# KiCad board ardumower mega shield svn.kicad_pcb (continued)
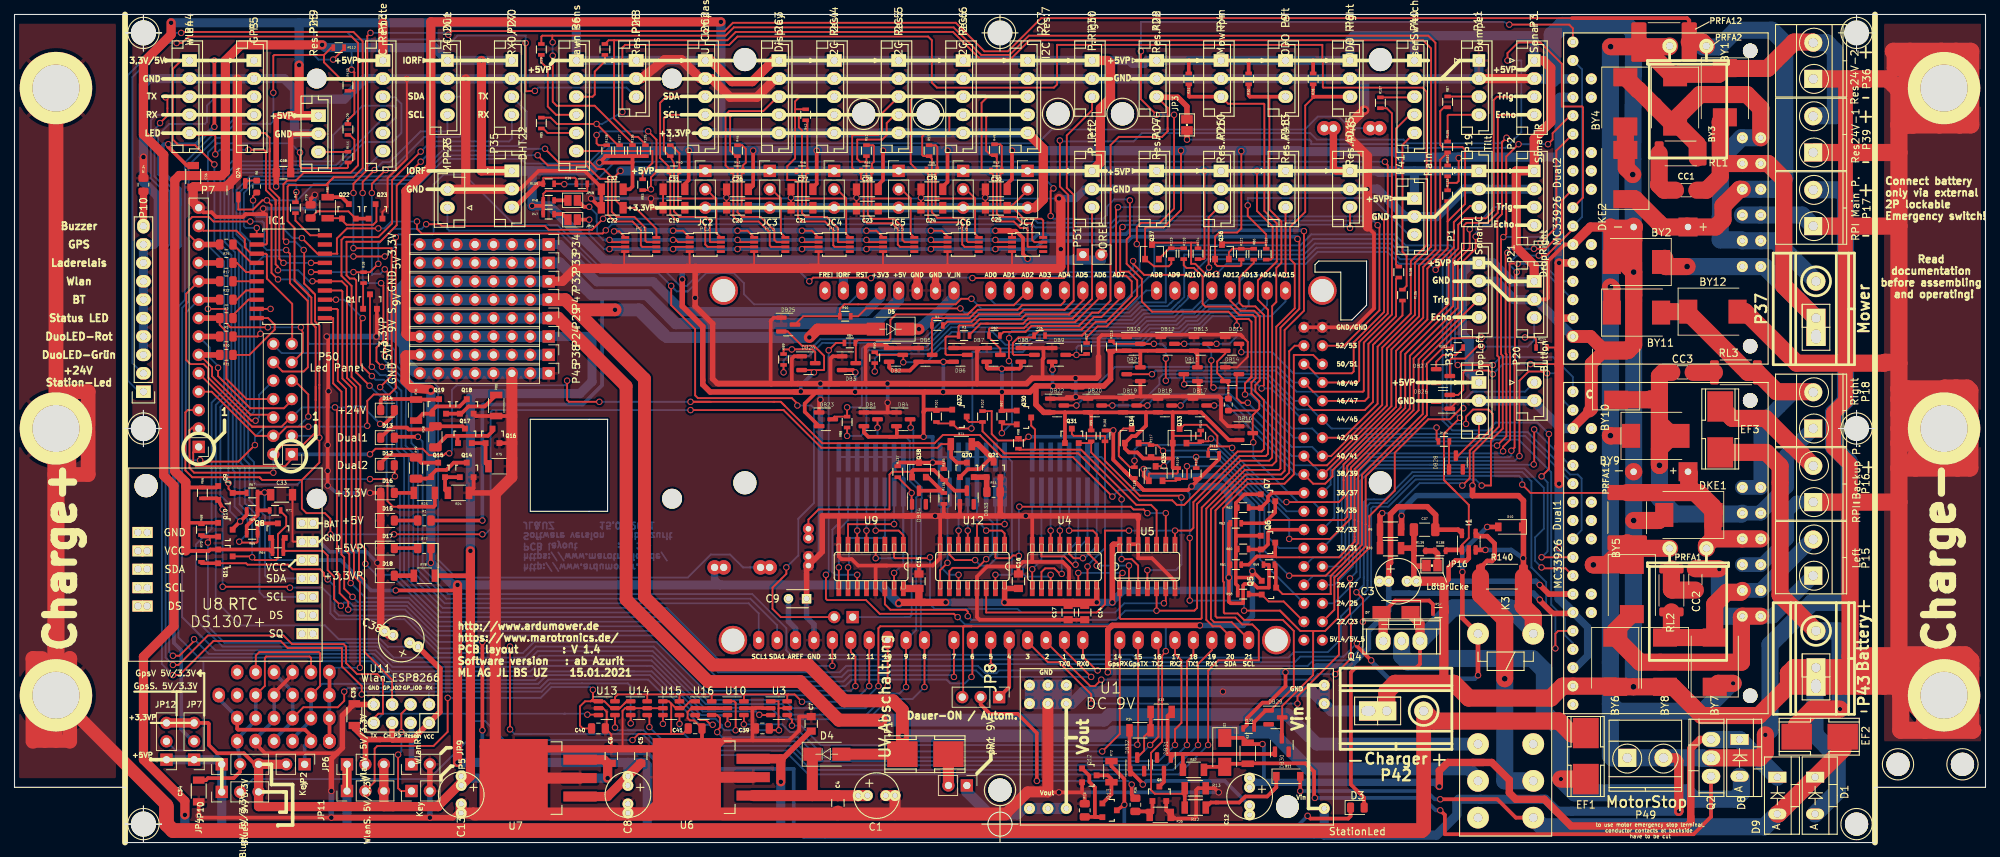
[diagram p0: board, top side]
## Placement (name value [footprint] x y rotation side) (continued)
S1  ODO Right  [SW_DIP_x8_SMD]  144.78 50.8 180 bottom
S2  ODO Left  [SW_DIP_x8_SMD]  118.11 50.8 180 bottom
S3  MowRpm  [SW_DIP_x8_SMD]  132.08 50.8 180 bottom
SHIELD1  ARDUINO_MEGA_SHIELD  [ARDUINO_MEGA_SHIELD_DUO_3D]  83.82 78.74 0 bottom
SP1  SPEAKER  [Buzzer_12x9.5RM7.6_RM5.0]  184.4 98.6 180 bottom
SP2  SPEAKER  [Buzzer_12x9.5RM7.6_RM5.0]  100.33 37.97 180 bottom
U1  DC 9V  [DC_DC_DSN2596_mit_Bohrloch_doppelte_Lochreihe]  181.86 24 180 top
U2  Bluetooth_CZ_HC_05  [Bluetooth_Buchse_Platz_mit_Beschriftung_4_fach]  37.06 14 180 bottom
U3  SN74LVC1T45DBV  [SOT-23-6]  105.41 18.54 0 top
U4  4017  [40xx-SO16]  144.78 38.1 180 top
U5  4081  [40xx-SO14]  156.21 38.1 0 top
U6  LM2940CS-5.0  [TO-263-3Lead]  101.85 9.02 180 top
U7  LM3940IS-3.3  [TO-263-3Lead]  77.98 8.89 180 top
U8  DS1307+  [Tiny_RTC_DS1307_geändert_mit_Bohrloch_4Lochreihen]  28.45 40.26 180 top
U9  4017  [40xx-SO16]  118.11 38.1 180 top
U10  SN74LVC1T45DBV  [SOT-23-6]  99.44 18.54 0 top
U11  Wlan_ESP8266  [Wlan_ESP8266_3D_mit_Pin_Beschreibung_ohne_Rahmen]  53.34 17.78 0 top
U12  4017  [40xx-SO16]  132.08 38.1 180 top
U13  SN74LVC1T45DBV  [SOT-23-6]  81.66 18.54 0 top
U14  SN74LVC1T45DBV  [SOT-23-6]  86.11 18.54 0 top
U15  SN74LVC1T45DBV  [SOT-23-6]  90.55 18.54 0 top
U16  SN74LVC1T45DBV  [SOT-23-6]  95 18.54 0 top

## Library data of the parts
B1-B25 = -: Dateiname Blatt: Bohrlöcher.kicad_sch; Schaltplanname: Bohrlöcher
BY1-BY4 = -: Bestelllink: https://www.mouser.de/ProductDetail/Diodes-Incorporated/S5MC-13-F?qs=xKg2%2Fz3XHc%252B1zUvQcK7GkA==; Bestellnummer: Value; Bestücken (Assemble): JA (YES); Dateiname Blatt: MähmotorSchutz.kicad_sch; Funktion: Gleichrichter 1000V 5A; Gehäuseart: SMC; JLCPCB Basic / Extern: 1; JLCPCB LCSC Part: C123929; Mouser Datenblatt: https://www.mouser.de/datasheet/2/115/ds16007-37966.pdf; Mouser Nummer: 621-S5MC-F; Schaltplanname: MähmotorSchutz; Technische Daten: Gleichrichter 1000V 5A
BY5 BY7 BY8 = -: Bestelllink: https://www.mouser.de/ProductDetail/Diodes-Incorporated/S5MC-13-F?qs=xKg2%2Fz3XHc%252B1zUvQcK7GkA==; Bestellnummer: Value; Bestücken (Assemble): JA (YES); Dateiname Blatt: MotorLinks.kicad_sch; Funktion: Gleichrichter 1000V 5A; Gehäuseart: SMC; JLCPCB Basic / Extern: 1; JLCPCB LCSC Part: C123929; Mouser Datenblatt: https://www.mouser.de/datasheet/2/115/ds16007-37966.pdf; Mouser Nummer: 621-S5MC-F; Schaltplanname: MotorLinks; Technische Daten: Gleichrichter 1000V 5A
BY6 = -: Bestelllink: https://www.mouser.de/ProductDetail/Diodes-Incorporated/S5MC-13-F?qs=xKg2%2Fz3XHc%252B1zUvQcK7GkA==; Bestellnummer: Value; Bestücken (Assemble): JA (YES); Dateiname Blatt: MotorLinks.kicad_sch; Funktion: Gleichrichter 1000V 5A; Gehäuseart: SMC; JLCPCB Basic / Extern: 1; JLCPCB LCSC Part: C123929; Mouser Datenblatt: https://www.mouser.de/datasheet/2/115/ds16007-37966.pdf; Schaltplanname: MotorLinks; Technische Daten: Gleichrichter 1000V 5A
BY9-BY12 = -: Bestelllink: https://www.mouser.de/ProductDetail/Diodes-Incorporated/S5MC-13-F?qs=xKg2%2Fz3XHc%252B1zUvQcK7GkA==; Bestellnummer: Value; Bestücken (Assemble): JA (YES); Dateiname Blatt: MotorRechts.kicad_sch; Funktion: Gleichrichter 1000V 5A; Gehäuseart: SMC; JLCPCB Basic / Extern: 1; JLCPCB LCSC Part: C123929; Mouser Datenblatt: https://www.mouser.de/datasheet/2/115/ds16007-37966.pdf; Mouser Nummer: 621-S5MC-F; Schaltplanname: MotorRechts; Technische Daten: Gleichrichter 1000V 5A
C1 = -: Bestelllink: https://www.reichelt.de/de/en/electrolytic-capacitor-6-3-x-11-mm-spacing-2-5-mm-rad-22-63-p15116.html?&trstct=pos_0&nbc=1; Bestellnummer: R: RAD 22/63; Bestücken (Assemble): NEIN (NO); Dateiname Blatt: Spannungsversorgung.kicad_sch; Funktion: Elko, radial, 22 µF, 63 V, RM 2,5, 85°C, 2000h, 20%; Reichelt-Bestellnummer: R: RAD 22/63; Schaltplanname: Spannungsversorgung; Technische Daten: Elko, radial, 22 µF, 63 V, RM 2,5, 85°C, 2000h, 20%
C2 = -: Bestellnummer: Value; Bestücken (Assemble): NEIN (NO); Dateiname Blatt: Anschlußstecker.kicad_sch; Hersteller: Value; Schaltplanname: Anschlußstecker
C3 P42 P43 P49 = -: Bestellnummer: Value; Bestücken (Assemble): NEIN (NO); Dateiname Blatt: ardumower mega shield svn.kicad_sch
C4-C7 = -: Bestelllink: https://www.reichelt.de/de/en/mlcc-0805-100nf-100v-10-ft-cap-x7r-0805fcg-100n-p193842.html?GROUPID=8048&SEARCH=0805%2B100nf&&r=1; Bestücken (Assemble): JA (YES); Dateiname Blatt: Spannungsversorgung.kicad_sch; Funktion: X7R 0805FCG 100N MLCC, 0805, 100nF, 100V, 10%, FT-Cap; Gehäuseart: 0805; JLCPCB LCSC Part: C49678; Schaltplanname: Spannungsversorgung; Technische Daten: X7R 0805FCG 100N MLCC, 0805, 100nF, 100V, 10%, FT-Cap
C8 C13 = -: Bestelllink: https://www.reichelt.de/de/en/electrolytic-capacitor-6-3-x-11-mm-spacing-2-5-mm-rad-22-63-p15116.html?&trstct=pos_0&nbc=1; Bestellnummer: R: RAD 22/63; Bestücken (Assemble): NEIN (NO); Dateiname Blatt: Spannungsversorgung.kicad_sch; Funktion: Elko, radial, 22 µF, 63 V, RM 2,5, 85°C, 2000h, 20%; Gehäuseart: 6,3x11mm, RM 2,5mm; Reichelt-Bestellnummer: R: RAD 22/63; Schaltplanname: Spannungsversorgung; Technische Daten: Elko, radial, 22 µF, 63 V, RM 2,5, 85°C, 2000h, 20%
C9 = -: Bestellnummer: Value; Bestücken (Assemble): NEIN (NO); Dateiname Blatt: Arduino_Mega.kicad_sch; Schaltplanname: Arduino_Mega
C10 = -: Bestellnummer: Value; Bestücken (Assemble): NEIN (NO); Dateiname Blatt: Motortreiber1.kicad_sch; Schaltplanname: Motortreiber1
C11 = -: Bestellnummer: Value; Bestücken (Assemble): NEIN (NO); Dateiname Blatt: Motortreiber2.kicad_sch; Schaltplanname: Motortreiber2
C12 = -: Bestelllink: https://www.reichelt.de/de/en/electrolytic-capacitor-6-3-x-11-mm-spacing-2-5-mm-rad-22-63-p15116.html?&trstct=pos_0&nbc=1; Bestellnummer: R: RAD 22/63; Bestücken (Assemble): NEIN (NO); Dateiname Blatt: USpannungAB.kicad_sch; Funktion: Elko, radial, 22 µF, 63 V, RM 2,5, 85°C, 2000h, 20%; Gehäuseart: 6,3x11mm, RM 2,5mm; Reichelt-Bestellnummer: R: RAD 22/63; Schaltplanname: USpannungAB; Technische Daten: Elko, radial, 22 µF, 63 V, RM 2,5, 85°C, 2000h, 20%
C14-C17 = -: Bestelllink: https://www.reichelt.de/de/en/mlcc-0805-100nf-100v-10-ft-cap-x7r-0805fcg-100n-p193842.html?GROUPID=8048&SEARCH=0805%2B100nf&&r=1; Bestellnummer: Value; Bestücken (Assemble): JA (YES); Dateiname Blatt: OdoTeiler.kicad_sch; Funktion: X7R 0805FCG 100N MLCC, 0805, 100nF, 100V, 10%, FT-Cap; Gehäuseart: 0805; JLCPCB LCSC Part: C49678; Schaltplanname: OdoTeiler; Technische Daten: X7R 0805FCG 100N MLCC, 0805, 100nF, 100V, 10%, FT-Cap
C18 = -: Bestelllink: https://www.reichelt.de/de/en/mlcc-0805-100nf-100v-10-ft-cap-x7r-0805fcg-100n-p193842.html?GROUPID=8048&SEARCH=0805%2B100nf&&r=1; Bestellnummer: Value; Bestücken (Assemble): JA (YES); Dateiname Blatt: Leuchtdioden.kicad_sch; Funktion: X7R 0805FCG 100N MLCC, 0805, 100nF, 100V, 10%, FT-Cap; Gehäuseart: 0805; JLCPCB LCSC Part: C49678; Schaltplanname: Leuchtdioden; Technische Daten: X7R 0805FCG 100N MLCC, 0805, 100nF, 100V, 10%, FT-Cap
C19-C33 = -: Bestelllink: https://www.reichelt.de/de/en/mlcc-1206-100nf-100v-5--x7r-1206-bg-100n-p194430.html?GROUPID=8049&SEARCH=1206%2B100nf&&r=1; Bestellnummer: Value; Bestücken (Assemble): JA (YES); Dateiname Blatt: I2C.kicad_sch; Funktion: X7R 1206 BG 100N MLCC, 1206, 100nF, 100V, 5%; Gehäuseart: 1206; Hersteller: Value; Hersteller Bestellnummer: Value; JLCPCB LCSC Part: C24497; Schaltplanname: I2C; Technische Daten: X7R 1206 BG 100N MLCC, 1206, 100nF, 100V, 5%
C34-C36 = -: Bestelllink: https://www.reichelt.de/de/en/mlcc-1206-100nf-100v-5--x7r-1206-bg-100n-p194430.html?GROUPID=8049&SEARCH=1206%2B100nf&&r=1; Bestellnummer: Value; Bestücken (Assemble): JA (YES); Dateiname Blatt: Wlan_BT_GPS.kicad_sch; Funktion: X7R 1206 BG 100N MLCC, 1206, 100nF, 100V, 5%; Gehäuseart: 1206; Hersteller: Value; Hersteller Bestellnummer: Value; JLCPCB LCSC Part: C24497; Schaltplanname: Wlan_BT_GPS; Technische Daten: X7R 1206 BG 100N MLCC, 1206, 100nF, 100V, 5%
C37 = -: Bestelllink: https://www.reichelt.de/de/en/mlcc-1206-100nf-100v-5--x7r-1206-bg-100n-p194430.html?GROUPID=8049&SEARCH=1206%2B100nf&&r=1; Bestellnummer: Value; Bestücken (Assemble): JA (YES); Dateiname Blatt: Stromsensor_INA.kicad_sch; Funktion: X7R 1206 BG 100N MLCC, 1206, 100nF, 100V, 5%; Gehäuseart: 1206; Hersteller: Value; Hersteller Bestellnummer: Value; JLCPCB LCSC Part: C24497; Schaltplanname: Stromsensor_INA; Technische Daten: X7R 1206 BG 100N MLCC, 1206, 100nF, 100V, 5%
C38 = -: Bestelllink: https://www.reichelt.de/de/en/electrolytic-capacitor-6-3-x-11-mm-spacing-2-5-mm-rad-22-63-p15116.html?&trstct=pos_0&nbc=1; Bestellnummer: R: RAD 22/63; Bestücken (Assemble): NEIN (NO); Dateiname Blatt: Wlan_BT_GPS.kicad_sch; Funktion: Elko, radial, 22 µF, 63 V, RM 2,5, 85°C, 2000h, 20%; Gehäuseart: 6,3x11mm, RM 2,5mm; Reichelt-Bestellnummer: R: RAD 22/63; Schaltplanname: Wlan_BT_GPS; Technische Daten: Elko, radial, 22 µF, 63 V, RM 2,5, 85°C, 2000h, 20%
C39-C41 = -: Bestelllink: https://www.reichelt.de/de/en/mlcc-0805-100nf-100v-10-ft-cap-x7r-0805fcg-100n-p193842.html?GROUPID=8048&SEARCH=0805%2B100nf&&r=1; Bestellnummer: Value; Bestücken (Assemble): JA (YES); Dateiname Blatt: Wlan_BT_GPS.kicad_sch; Funktion: X7R 0805FCG 100N MLCC, 0805, 100nF, 100V, 10%, FT-Cap; Gehäuseart: Value; JLCPCB LCSC Part: C49678; Schaltplanname: Wlan_BT_GPS; Technische Daten: X7R 0805FCG 100N MLCC, 0805, 100nF, 100V, 10%, FT-Cap
CC1 = -: Bestelllink: https://www.mouser.de/ProductDetail/WIMA/SMDIF02100QA00JQ00?qs=KSac9zHBIo3rfA7nKOuWBw%3D%3D; Bestellnummer: Value; Bestücken (Assemble): JA (YES); Dateiname Blatt: MähmotorSchutz.kicad_sch; Funktion: Film Capacitors 250V .01uF 5% TOL MAX REFLOW 250/C; Gehäuseart: 1206; JLCPCB Basic / Extern: 1; JLCPCB LCSC Part: C1944; Mouser Datenblatt: https://www.mouser.de/datasheet/2/440/e_WIMA_SMD_PPS-1139945.pdf; Schaltplanname: MähmotorSchutz; Technische Daten: Film Capacitors 250V .01uF 5% TOL MAX REFLOW 250/C
CC2 = -: Bestelllink: https://www.mouser.de/ProductDetail/WIMA/SMDIF02100QA00JQ00?qs=KSac9zHBIo3rfA7nKOuWBw%3D%3D; Bestellnummer: Value; Bestücken (Assemble): JA (YES); Dateiname Blatt: MotorLinks.kicad_sch; Funktion: Film Capacitors 250V .01uF 5% TOL MAX REFLOW 250/C; Gehäuseart: 1206; JLCPCB Basic / Extern: 1; JLCPCB LCSC Part: C1944; Mouser Datenblatt: https://www.mouser.de/datasheet/2/440/e_WIMA_SMD_PPS-1139945.pdf; Schaltplanname: MotorLinks; Technische Daten: Film Capacitors 250V .01uF 5% TOL MAX REFLOW 250/C
CC3 = -: Bestelllink: https://www.mouser.de/ProductDetail/WIMA/SMDIF02100QA00JQ00?qs=KSac9zHBIo3rfA7nKOuWBw%3D%3D; Bestellnummer: Value; Bestücken (Assemble): JA (YES); Dateiname Blatt: MotorRechts.kicad_sch; Gehäuseart: 1206; JLCPCB Basic / Extern: 1; JLCPCB LCSC Part: C1944; Mouser Datenblatt: https://www.mouser.de/datasheet/2/440/e_WIMA_SMD_PPS-1139945.pdf; Schaltplanname: MotorRechts; Technische Daten: Film Capacitors 250V .01uF 5% TOL MAX REFLOW 250/C
D1 D9 = -: Bestelllink: https://www.reichelt.de/schottkydiode-45-v-10-a-to-220ac-mbr-1045-p41944.html?&trstct=pos_0&nbc=1; Bestellnummer: R: MBR 1045; Bestücken (Assemble): NEIN (NO); Dateiname Blatt: ardumower mega shield svn.kicad_sch; Funktion: Schottkydiode, 45 V, 10 A, TO-220AC; Gehäuseart: TO-220AC; Reichelt-Bestellnummer: R: MBR 1045; Technische Daten: Schottkydiode, 45 V, 10 A, TO-220AC
D2 = -: Bestelllink: https://www.reichelt.de/zenerdiode-15-v-1-w-do-214ac-sma-z1sma15-dio-p219551.html?CCOUNTRY=445&LANGUAGE=de&trstct=pos_2&nbc=1&&r=1; Bestellnummer: R:  Z1SMA15 DIO; Bestücken (Assemble): JA (YES); Dateiname Blatt: USpannungAB.kicad_sch; Funktion: Chip Zener diode 0.5 W 15 V; Gehäuseart: DO-214AC/SMA; JLCPCB Basic / Extern: 1; JLCPCB LCSC Part: C32357; Reichelt-Bestellnummer: R:  Z1SMA15 DIO; Schaltplanname: USpannungAB; Technische Daten: Zener-Diode 0,5W 15V
D3 = -: Bestelllink: https://www.reichelt.de/led-smd-0805-gelb-120-mcd-rnd-135-00185-p263781.html?&trstct=pos_0&nbc=1; Bestellnummer: R: RND 135-00185; Bestücken (Assemble): JA (YES); Dateiname Blatt: Stationsled.kicad_sch; Funktion: LED, SMD, 0805, gelb, 120 mcd; Gehäuseart: 0805; JLCPCB LCSC Part: C2296; Reichelt-Bestellnummer: R: RND 135-00185; Schaltplanname: Stationsled; Technische Daten: LED, SMD, 0805, gelb, 120 mcd
D4 = -: Bestelllink: https://www.reichelt.de/SB-SKE-4F-Dioden/S-1G-SMD/3/index.html?ACTION=3&LA=446&ARTICLE=95354&GROUPID=2991&artnr=S+1G+SMD&SEARCH=1N%2B4004%2BSMD; Bestellnummer: R: S 1G SMD; Bestücken (Assemble): JA (YES); Dateiname Blatt: Spannungsversorgung.kicad_sch; Funktion: Gleichrichterdiode, 400 V, 1 A, DO-214AC/SMA; Gehäuseart: SMA-Standart; Hersteller: Value; Hersteller Bestellnummer: Value; JLCPCB LCSC Part: C95872; Reichelt-Bestellnummer: R: S 1G SMD; Schaltplanname: Spannungsversorgung; Technische Daten: Si-Gleichrichterdiode, DO214AC, 400V, 1A
D5 = -: Bestelllink: https://www.reichelt.de/SB-SKE-4F-Dioden/S-1G-SMD/3/index.html?ACTION=3&LA=446&ARTICLE=95354&GROUPID=2991&artnr=S+1G+SMD&SEARCH=1N%2B4004%2BSMD; Bestellnummer: R: S 1G SMD; Bestücken (Assemble): JA (YES); Dateiname Blatt: Arduino_Mega.kicad_sch; Funktion: Gleichrichterdiode, 400 V, 1 A, DO-214AC/SMA; Hersteller: Value; Hersteller Bestellnummer: Value; JLCPCB LCSC Part: C95872; Reichelt-Bestellnummer: R: S 1G SMD; Schaltplanname: Arduino_Mega; Technische Daten: Si-Gleichrichterdiode, DO214AC, 400V, 1A
D7 = -: Bestelllink: https://www.reichelt.de/zenerdiode-15-v-1-w-do-214ac-sma-z1sma15-dio-p219551.html?CCOUNTRY=445&LANGUAGE=de&trstct=pos_2&nbc=1&&r=1; Bestellnummer: R:  Z1SMA15 DIO; Bestücken (Assemble): JA (YES); Dateiname Blatt: VerpolungsschutzLade.kicad_sch; Funktion: Chip Zener diode 0.5 W 15 V; Gehäuseart: DO-214AC/SMA; JLCPCB Basic / Extern: 1; JLCPCB LCSC Part: C32357; Reichelt-Bestellnummer: R:  Z1SMA15 DIO; Schaltplanname: VerpolungsschutzLade.; Technische Daten: Zener-Diode 0,5W 15V
D8 = -: Bestelllink: https://www.reichelt.de/schottkydiode-45-v-10-a-to-220ac-mbr-1045-p41944.html?&trstct=pos_0&nbc=1; Bestellnummer: R: MBR 1045; Bestücken (Assemble): NEIN (NO); Dateiname Blatt: ardumower mega shield svn.kicad_sch; Funktion: Schottkydiode, 45 V, 10 A, TO-220AC; Gehäuseart: TO-220AC; Hersteller: Value; Hersteller Bestellnummer: Value; Reichelt-Bestellnummer: R: MBR 1045; Technische Daten: Schottkydiode, 45 V, 10 A, TO-220AC
D10 = -: Bestelllink: https://www.reichelt.de/schalt-diode-75-v-150-ma-sod-123-rnd-1n4148w-p223369.html?&trstct=pos_0&nbc=1; Bestellnummer: R: RND 1N4148W; Bestücken (Assemble): JA (YES); Dateiname Blatt: ardumower mega shield svn.kicad_sch; Gehäuseart: SOD-123; JLCPCB LCSC Part: C81598; Reichelt-Bestellnummer: R: RND 1N4148W; Technische Daten: Schalt-Diode, 75 V, 150 mA, SOD-123
D11 = -: Bestelllink: https://www.reichelt.de/schalt-diode-75-v-150-ma-sod-123-rnd-1n4148w-p223369.html?&trstct=pos_0&nbc=1; Bestellnummer: R: RND 1N4148W; Bestücken (Assemble): JA (YES); Dateiname Blatt: ardumower mega shield svn.kicad_sch; Funktion: Schalt-Diode, 75 V, 150 mA, SOD-123; Gehäuseart: SOD-123; JLCPCB LCSC Part: C81598; Reichelt-Bestellnummer: R: RND 1N4148W; Technische Daten: Schalt-Diode, 75 V, 150 mA, SOD-123
D12 D14-D16 = -: Bestücken (Assemble): JA (YES); Dateiname Blatt: Leuchtdioden.kicad_sch; Funktion: Green SMD LED with dome lens, 200 mcd; Gehäuseart: 0805; JLCPCB LCSC Part: C2296; Schaltplanname: Leuchtdioden; Technische Daten: Green SMD LED with dome lens, 200 mcd
D13 D18 = -: Bestellnummer: R: SMD-LED 1206K GN; Bestücken (Assemble): JA (YES); Dateiname Blatt: Leuchtdioden.kicad_sch; Funktion: Green SMD LED with dome lens, 200 mcd; Gehäuseart: 0805; JLCPCB LCSC Part: C2296; Schaltplanname: Leuchtdioden; Technische Daten: Green SMD LED with dome lens, 200 mcd
D17 = -: Bestücken (Assemble): JA (YES); Dateiname Blatt: Leuchtdioden.kicad_sch; Gehäuseart: 0805; JLCPCB LCSC Part: C2296; Schaltplanname: Leuchtdioden; Technische Daten: Green SMD LED
DB1-DB28 = -: Bestücken (Assemble): JA (YES); Dateiname Blatt: Arduino_Mega.kicad_sch; JLCPCB LCSC Part: C2500; Schaltplanname: Arduino_Mega; Technische Daten: SWITCHING DIODE 100V 125MA 1.25V @ 150MA
DB29-DB32 = -: Bestücken (Assemble): JA (YES); Dateiname Blatt: USpannungAB.kicad_sch; JLCPCB LCSC Part: C2500; Schaltplanname: USpannungAB; Technische Daten: SWITCHING DIODE 100V 125MA 1.25V @ 150MA
DB33 DB34 = -: Bestücken (Assemble): JA (YES); Dateiname Blatt: Anschlußstecker.kicad_sch; JLCPCB LCSC Part: C2500; Schaltplanname: Anschlußstecker; Technische Daten: SWITCHING DIODE 100V 125MA 1.25V @ 150MA
DKE1 = -: Datasheet: https://cdn-reichelt.de/documents/datenblatt/A400/SMCJ.pdf; Bestelllink: https://www.reichelt.de/tvs-diode-bidirektional-28-v-1500-w-do-214ab-smc-smcj28ca-vis-p290948.html?&trstct=pos_0&nbc=1; Bestellnummer: R: SMCJ28CA VIS; Bestücken (Assemble): JA (YES); Dateiname Blatt: Motortreiber1.kicad_sch; Funktion: SMCJ28CA VIS TVS-Diode, bidirektional, 28 V, 1500 W, DO-214AB/SMC; Gehäuseart: DO-214AB/SMC; Hersteller: Value; Hersteller Bestellnummer: Value; JLCPCB Basic / Extern: 1; JLCPCB LCSC Part: C10245; Schaltplanname: Motortreiber1; Technische Daten: SMCJ28CA VIS TVS-Diode, bidirektional, 28 V, 1500 W, DO-214AB/SMC
DKE2 = -: Datasheet: https://cdn-reichelt.de/documents/datenblatt/A400/SMCJ.pdf; Bestelllink: https://www.reichelt.de/tvs-diode-bidirektional-28-v-1500-w-do-214ab-smc-smcj28ca-vis-p290948.html?&trstct=pos_0&nbc=1; Bestellnummer: R: SMCJ28CA VIS; Bestücken (Assemble): JA (YES); Dateiname Blatt: Motortreiber2.kicad_sch; Funktion: SMCJ28CA VIS TVS-Diode, bidirektional, 28 V, 1500 W, DO-214AB/SMC; Gehäuseart: DO-214AB/SMC; Hersteller: Value; Hersteller Bestellnummer: Value; JLCPCB Basic / Extern: 1; JLCPCB LCSC Part: C10245; Schaltplanname: Motortreiber2; Technische Daten: SMCJ28CA VIS TVS-Diode, bidirektional, 28 V, 1500 W, DO-214AB/SMC
Dual1 Dual2 = -: Bestelllink: Value; Bestücken (Assemble): NEIN (NO); Dateiname Blatt: Motortreiber.kicad_sch; Schaltplanname: Motortreiber
EF1 = -: Bestelllink: https://www.reichelt.de/SMD-Sicherungen/OMT-125-3-5A/3/index.html?ACTION=3&LA=446&ARTICLE=52972&GROUPID=7660&artnr=OMT+125+3%2C5A&SEARCH=smd%2Bsicherung%2B125; Bestellnummer: R: OMH 125 HALTER; Bestücken (Assemble): JA (YES); Dateiname Blatt: ardumower mega shield svn.kicad_sch; Funktion: OMH 125 HALTER SMD-Sicherungshalter für OMT-125; Hersteller: Value; Hersteller Bestellnummer: Value; JLCPCB Basic / Extern: 1; JLCPCB LCSC Part: C182313; Reichelt-Bestellnummer: R: OMH 125 HALTER; Technische Daten: OMH 125 HALTER SMD-Sicherungshalter für OMT-125
EF2 = -: Bestelllink: https://www.reichelt.de/SMD-Sicherungen/OMT-125-3-5A/3/index.html?ACTION=3&LA=446&ARTICLE=52972&GROUPID=7660&artnr=OMT+125+3%2C5A&SEARCH=smd%2Bsicherung%2B125; Bestellnummer: R: OMH 125 HALTER; Bestücken (Assemble): JA (YES); Dateiname Blatt: ardumower mega shield svn.kicad_sch; Funktion: OMH 125 HALTER SMD-Sicherungshalter für OMT-125; Hersteller: Value; Hersteller Bestellnummer: Value; JLCPCB Basic / Extern: 1; JLCPCB LCSC Part: C312012; Reichelt-Bestellnummer: R: OMH 125 HALTER; Technische Daten: OMH 125 HALTER SMD-Sicherungshalter für OMT-125
EF3 = -: Bestelllink: https://www.reichelt.de/SMD-Sicherungen/OMT-125-3-5A/3/index.html?ACTION=3&LA=446&ARTICLE=52972&GROUPID=7660&artnr=OMT+125+3%2C5A&SEARCH=smd%2Bsicherung%2B125; Bestellnummer: R: OMH 125 HALTER; Bestücken (Assemble): JA (YES); Dateiname Blatt: ardumower mega shield svn.kicad_sch; Funktion: OMH 125 HALTER SMD-Sicherungshalter für OMT-125; Hersteller: Value; Hersteller Bestellnummer: Value; JLCPCB Basic / Extern: 1; JLCPCB LCSC Part: C312004; Reichelt-Bestellnummer: R: OMH 125 HALTER; Technische Daten: OMH 125 HALTER SMD-Sicherungshalter für OMT-125
F1 = -: Bestelllink: https://www.reichelt.de/SMD-Sicherungen/OMT-125-3-5A/3/index.html?ACTION=3&LA=446&ARTICLE=52972&GROUPID=7660&artnr=OMT+125+3%2C5A&SEARCH=smd%2Bsicherung%2B125; Bestellnummer: R: OMH 125 HALTER; Bestücken (Assemble): JA (YES); Dateiname Blatt: Spannungsversorgung.kicad_sch; Funktion: OMH 125 HALTER SMD-Sicherungshalter für OMT-125; Hersteller: Value; Hersteller Bestellnummer: Value; JLCPCB Basic / Extern: 1; JLCPCB LCSC Part: C312012; Reichelt-Bestellnummer: R: OMH 125 HALTER; Schaltplanname: Spannungsversorgung; Technische Daten: OMH 125 HALTER SMD-Sicherungshalter für OMT-125
I1 = -: Bestücken (Assemble): JA (YES); Dateiname Blatt: Stromsensor_INA.kicad_sch; Funktion: Current & Power Monitors & Regulators; Gehäuseart: SOT-23-5; Hersteller: Texas Instruments; JLCPCB Basic / Extern: 1; JLCPCB LCSC Part: C44322; Schaltplanname: Stromsensor_INA; Technische Daten: Current & Power Monitors & Regulators
I2C1 = -: Bestellnummer: Value; Bestücken (Assemble): NEIN (NO); Dateiname Blatt: I2C.kicad_sch; Hersteller: Value; Hersteller Bestellnummer: Value; Schaltplanname: I2C
I2C2-I2C7 = -: Bestellnummer: Value; Bestücken (Assemble): NEIN (NO); Dateiname Blatt: I2C.kicad_sch; Schaltplanname: I2C
IC1 = -: Bestelllink: https://www.reichelt.de/de/en/8-channel-driver-with-overcurrent-protection-35-v-500-ma-soic-udn-2987-lwtr-6t-p189042.html?GROUPID=2921&SEARCH=UDN%2B2987&&r=1; Bestellnummer: R: UDN 2987 LWTR-6T; Bestücken (Assemble): NEIN (NO); Dateiname Blatt: Leuchtdioden.kicad_sch; Funktion: UDN 2987 LWTR-6T 8-channel driver with overcurrent protection, 35 V, 500 mA, SOIC; Gehäuseart: SOIC-20W; Price: 1.94 USD; Reichelt-Bestellnummer: R: UDN 2987 LWTR-6T; Schaltplanname: Leuchtdioden; Technische Daten: UDN 2987 LWTR-6T 8-channel driver with overcurrent protection, 35 V, 500 mA, SOIC
JC2-JC7 = -: Bestücken (Assemble): NEIN (NO); Dateiname Blatt: I2C.kicad_sch; Schaltplanname: I2C
JP1 = -: Bestellnummer: Value; Bestücken (Assemble): NEIN (NO); Dateiname Blatt: Spannungsversorgung.kicad_sch; Schaltplanname: Spannungsversorgung
JP2 JP4-JP7 JP9-JP12 P5 P44 = -: Bestellnummer: Value; Bestücken (Assemble): NEIN (NO); Dateiname Blatt: Wlan_BT_GPS.kicad_sch; Schaltplanname: Wlan_BT_GPS
JP3 = -: Bestücken (Assemble): NEIN (NO); Dateiname Blatt: Motortreiber.kicad_sch; Schaltplanname: Motortreiber
JP8 = -: Bestücken (Assemble): NEIN (NO); Dateiname Blatt: USpannungAB.kicad_sch; Schaltplanname: USpannungAB
JP13 P51 = -: Bestellnummer: Value; Bestücken (Assemble): NEIN (NO); Dateiname Blatt: Anschlußstecker.kicad_sch; Hersteller: Value; Hersteller Bestellnummer: Value; Schaltplanname: Anschlußstecker
JP14 JP15 = -: Bestücken (Assemble): NEIN (NO) SolderJumper; Dateiname Blatt: I2C.kicad_sch; Schaltplanname: I2C
JP16 = -: Bestücken (Assemble): NEIN (NO) SolderJumper; Dateiname Blatt: Stromsensor_INA.kicad_sch; Schaltplanname: Stromsensor_INA
K3 = -: Bestelllink: http://www.reichelt.de/Print-Steckrelais/FIN-40-52-9-6V/3/index.html?&ACTION=3&LA=2&ARTICLE=8108&GROUPID=3293&artnr=FIN+40.52.9+6V; Bestellnummer: R: FIN 40.52.9 24V / R: FIN 40.52.9 12V / R: FIN 40.52.9 6V / R: FIN 95.15.2; Bestücken (Assemble): NEIN (NO); Dateiname Blatt: ardumower mega shield svn.kicad_sch
P1-P4 P8 P9 P11-P14 P19 P21 P22 P25-P28 P30 P31 P35 P40 P41 P46 P48 = -: Bestellnummer: Value; Bestücken (Assemble): NEIN (NO); Dateiname Blatt: Anschlußstecker.kicad_sch; Schaltplanname: Anschlußstecker
P6 P20 P23 = -: Bestücken (Assemble): NEIN (NO); Dateiname Blatt: Anschlußstecker.kicad_sch; Schaltplanname: Anschlußstecker
P7 = -: Bestellnummer: Value; Bestücken (Assemble): NEIN (NO); Dateiname Blatt: Leuchtdioden.kicad_sch; Hersteller: Value; Hersteller Bestellnummer: Value; Schaltplanname: Leuchtdioden
P10 = -: Bestellnummer: Value; Bestücken (Assemble): NEIN (NO); Dateiname Blatt: Leuchtdioden.kicad_sch; Schaltplanname: Leuchtdioden
P15 P36 P37 P39 = -: Bestellnummer: Value; Bestücken (Assemble): NEIN (NO); Dateiname Blatt: Motortreiber.kicad_sch; Schaltplanname: Motortreiber
P16 P17 = -: Bestellnummer: Value; Bestücken (Assemble): NEIN (NO); Dateiname Blatt: ardumower mega shield svn.kicad_sch; Hersteller: Value; Hersteller Bestellnummer: Value
P18 = -: Bestellnummer: Value; Bestücken (Assemble): NEIN (NO); Dateiname Blatt: Motortreiber.kicad_sch; Hersteller: Value; Hersteller Bestellnummer: Value; Schaltplanname: Motortreiber
P24 P32-P34 P38 P45 P47 U1 = -: Bestücken (Assemble): NEIN (NO); Dateiname Blatt: Spannungsversorgung.kicad_sch; Schaltplanname: Spannungsversorgung
P29 = -: Bestellnummer: Value; Bestücken (Assemble): NEIN (NO); Dateiname Blatt: Spannungsversorgung.kicad_sch; Hersteller: Value; Hersteller Bestellnummer: Value; Schaltplanname: Spannungsversorgung
P50 = -: Bestelllink: https://www.reichelt.de/wannenstecker-14-polig-gerade-wsl-14g-p22819.html?GROUPID=7437&SEARCH=wsl14g&&r=1; Bestellnummer: R: WSL 14G; Bestücken (Assemble): NEIN (NO); Dateiname Blatt: Leuchtdioden.kicad_sch; Funktion: Wannenstecker, 14-polig, gerade; Hersteller: Value; Reichelt-Bestellnummer: R: WSL 14G; Schaltplanname: Leuchtdioden; Technische Daten: Wannenstecker, 14-polig, gerade
PC1 = -: Description: Interface; repeater; I2C, SMBus; Channels: 2; 2.7÷5.5VDC; Bauform: TSSOP-8_3.0x3.0x0.65P; Bestelllink: https://jlcpcb.com/parts/componentSearch?searchTxt=C80799; Bestücken (Assemble): JA (YES); Dateiname Blatt: I2C.kicad_sch; Gehäuseart: TSSOP-8_3.0x3.0x0.65P; Hersteller: NXP Semicon; JLCPCB LCSC Part: C80799; Schaltplanname: I2C; Technische Daten: Level translating I2C-bus repeater
PC2-PC4 PC6 PC7 = -: Description: Interface; repeater; I2C, SMBus; Channels: 2; 2.7÷5.5VDC; Bauform: TSSOP-8_3.0x3.0x0.65P; Bestelllink: https://jlcpcb.com/parts/componentSearch?searchTxt=C80799; Bestücken (Assemble): JA (YES); Dateiname Blatt: I2C.kicad_sch; Funktion: Level translating I2C-bus repeater; Hersteller: NXP Semicon; JLCPCB LCSC Part: C80799; Schaltplanname: I2C; Technische Daten: Level translating I2C-bus repeater
PC5 = -: Bauform: TSSOP-8_3.0x3.0x0.65P; Bestelllink: https://jlcpcb.com/parts/componentSearch?searchTxt=C80799; Bestücken (Assemble): JA (YES); Dateiname Blatt: I2C.kicad_sch; Gehäuseart: TSSOP-8_3.0x3.0x0.65P; Hersteller: NXP Semicon; JLCPCB LCSC Part: C80799; Schaltplanname: I2C; Technische Daten: Level translating I2C-bus repeater
PRFA1 = -: Bestelllink: https://www.reichelt.de/de/en/resettable-fuses-max-40-a-30-v-14-5-s-pfra-500-p35215.html?GROUP=C48&GROUPID=7658&START=0&SORT=-rank&OFFSET=16&&r=1; Bestellnummer: R: PFRA 500; Bestücken (Assemble): NEIN (NO); Dateiname Blatt: Motortreiber1.kicad_sch; Funktion: PFRA 500 Resettable fuses, max. 40 A, 30 V, 14.5 s; Reichelt-Bestellnummer: R: PFRA 500; Schaltplanname: Motortreiber1; Technische Daten: PFRA 500 Resettable fuses, max. 40 A, 30 V, 14.5 s
PRFA2 = -: Bestelllink: https://www.reichelt.de/de/en/resettable-fuses-max-40-a-30-v-14-5-s-pfra-500-p35215.html?GROUP=C48&GROUPID=7658&START=0&SORT=-rank&OFFSET=16&&r=1; Bestellnummer: R: PFRA 500; Bestücken (Assemble): NEIN (NO); Dateiname Blatt: Motortreiber2.kicad_sch; Funktion: PFRA 500 Resettable fuses, max. 40 A, 30 V, 14.5 s; Reichelt-Bestellnummer: R: PFRA 500; Schaltplanname: Motortreiber2; Technische Daten: PFRA 500 Resettable fuses, max. 40 A, 30 V, 14.5 s
PRFA11 = -: Bestelllink: https://www.mouser.de/ProductDetail/Littelfuse/2920L500-24SLDR/?qs=%2Fha2pyFadujrPVORV2ny8ShSp9F2IGH04BA1WKQYQ6Q%3D; Bestellnummer: R: PFRA 500; Bestücken (Assemble): NEIN (NO); Dateiname Blatt: Motortreiber1.kicad_sch; Funktion: PPTC PTC 24V POLYFUSE SMD 2920 SL 5.00A; Gehäuseart: 2920; Hersteller Nummer: 2920L500/24SLDR; Mouser Datenblatt: https://www.mouser.de/datasheet/2/240/littelfuse_ptc_low_rho_datasheet_pdf-1901322.pdf; Mouser Nummer: 576-2920L500/24SLDR; Reichelt-Bestellnummer: R: PFRA 500; Schaltplanname: Motortreiber1; Technische Daten: PPTC PTC 24V POLYFUSE SMD 2920 SL 5.00A
PRFA12 = -: Bestelllink: https://www.mouser.de/ProductDetail/Littelfuse/2920L500-24SLDR/?qs=%2Fha2pyFadujrPVORV2ny8ShSp9F2IGH04BA1WKQYQ6Q%3D; Bestellnummer: R: PFRA 500; Bestücken (Assemble): NEIN (NO); Dateiname Blatt: Motortreiber2.kicad_sch; Funktion: PPTC PTC 24V POLYFUSE SMD 2920 SL 5.00A; Gehäuseart: 2920; Hersteller Nummer: 2920L500/24SLDR; Mouser Datenblatt: https://www.mouser.de/datasheet/2/240/littelfuse_ptc_low_rho_datasheet_pdf-1901322.pdf; Mouser Nummer: 576-2920L500/24SLDR; Reichelt-Bestellnummer: R: PFRA 500; Schaltplanname: Motortreiber2; Technische Daten: PPTC PTC 24V POLYFUSE SMD 2920 SL 5.00A
Q1 = -: Bestelllink: https://www.reichelt.de/SB-SKE-4F-Dioden/S-1G-SMD/3/index.html?ACTION=3&LA=446&ARTICLE=95354&GROUPID=2991&artnr=S+1G+SMD&SEARCH=S%2B1G%2BSMD; Bestellnummer: R: BC 817-40 SMD; Bestücken (Assemble): JA (YES); Dateiname Blatt: ardumower mega shield svn.kicad_sch; Funktion: Transistor SMD NPN SOT-23 45 V 0.5 A 0.25 W; Gehäuseart: SOT-23; JLCPCB Basic / Extern: 1; JLCPCB LCSC Part: C118725; Reichelt-Bestellnummer: R: BC 817-40 SMD; Technische Daten: Transistor SMD NPN SOT-23 45 V 0.5 A 0.25 W
